# Allegro board C000PC009-HI3516DV300-CORE-A-A01.brd (continued)
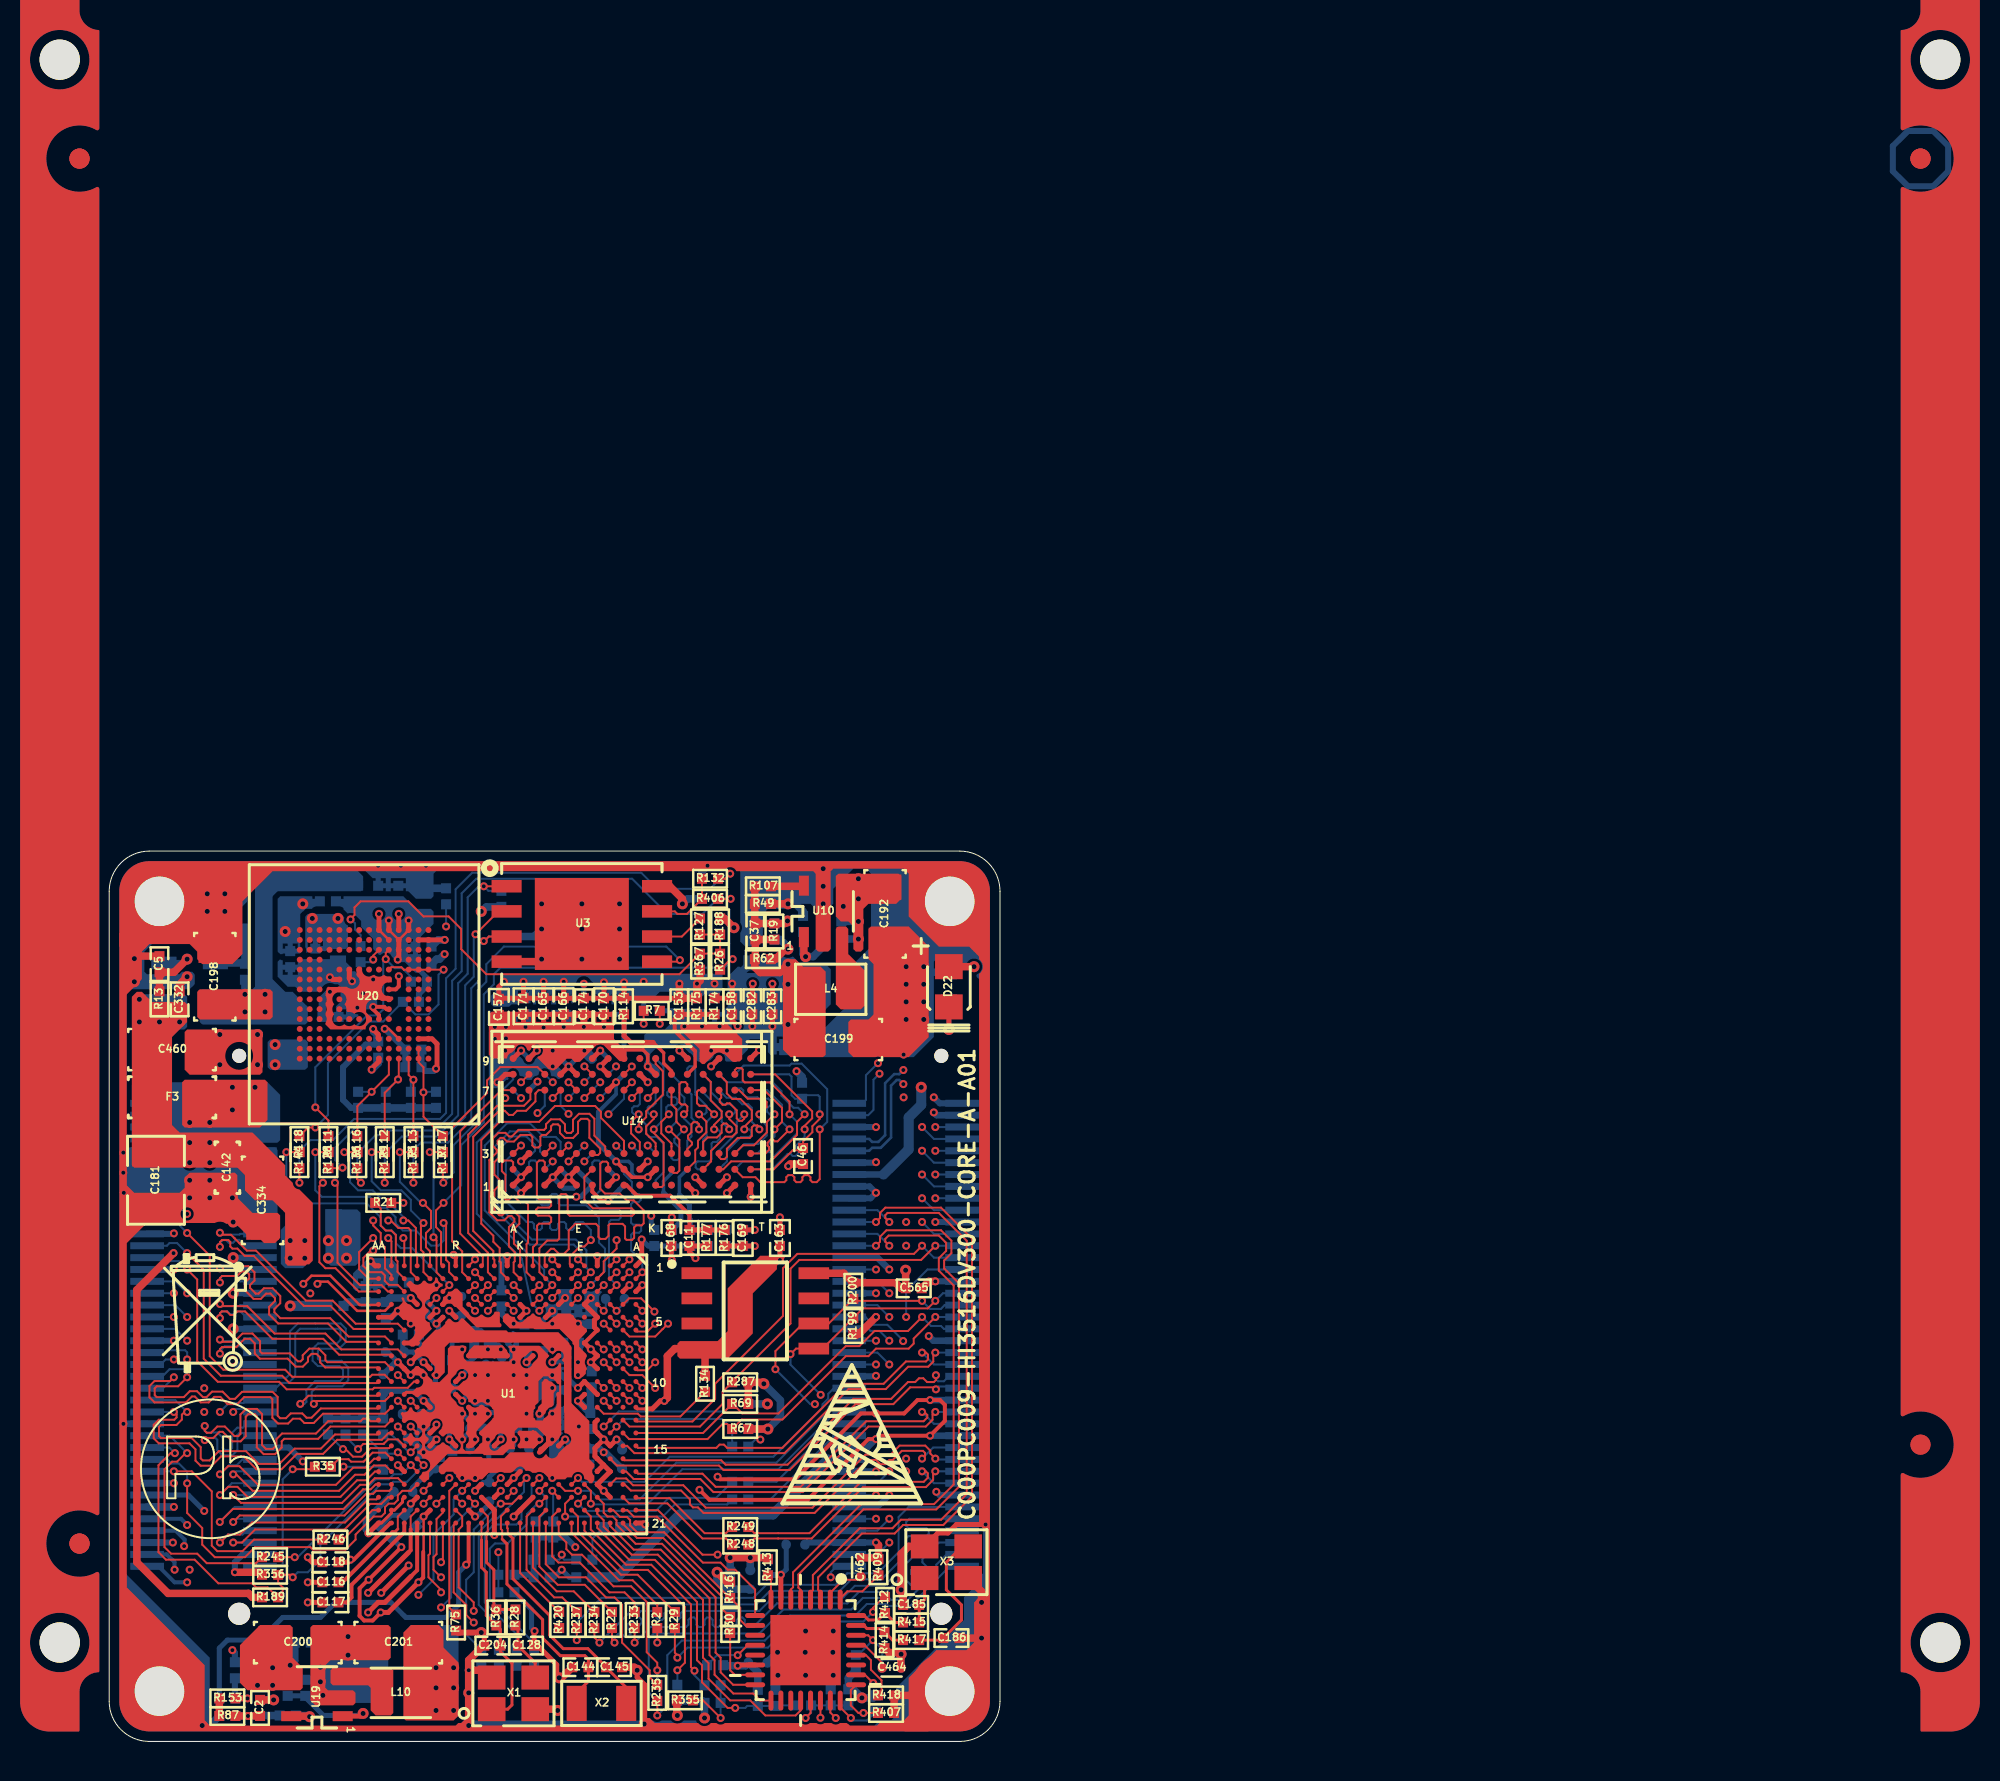
[diagram p0: board, top side]
## Nets (continued)
VBAT: J1.20 R91.1(A)
VCC_IN: F3.1 J2.73 J2.74 J2.75 J2.76 J2.77 J2.78 J2.79 J2.80
VDDIO_DDR_CK: C106.1(A) LB20.2 U1.G8(VDDIO_DDR_CK)
AC_INL/MIC_IN: C116.1(A) J2.10
AC_INR: C117.1(A) J2.8
AC_MICBIAS: C118.2(B) J2.14 U1.Y21(AC_MICBIAS)
AC_OUTL: J2.2 U1.V20(AC_OUTL)
AC_OUTR: J2.4 U1.V21(AC_OUTR)
AC_VREF: C43.1(A) C140.2(B) U1.V19(AC_VREF)
CKXTAL1: R414.2(B) R417.2(B) U21.31(CKXTAL1)
CKXTAL2: R412.2(B) R415.2(B) U21.32(CKXTAL2)
DDR3_A0: U1.A7(DDR_A0) U14.N3(A0) U15.N3(A0)
DDR3_A1: U1.A8(DDR_A1) U14.P7(A1) U15.P7(A1)
DDR3_A2: U1.B8(DDR_A5) U14.P3(A2) U15.P3(A2)
DDR3_A3: U1.B7(DDR_A3) U14.N2(A3) U15.N2(A3)
DDR3_A4: U1.A9(DDR_A4) U14.P8(A4) U15.P8(A4)
DDR3_A5: U1.B10(DDR_A9) U14.P2(A5) U15.P2(A5)
DDR3_A6: U1.A11(DDR_A8) U14.R8(A6) U15.R8(A6)
DDR3_A7: U1.B11(DDR_A7) U14.R2(A7) U15.R2(A7)
DDR3_A8: U1.A10(DDR_A6) U14.T8(A8) U15.T8(A8)
DDR3_A9: U1.B9(DDR_A2) U14.R3(A9) U15.R3(A9)
DDR3_A10: U1.C6(DDR_A12) U14.L7(A10/AP) U15.L7(A10/AP)
DDR3_A11: U1.D10(DDR_A11) U14.R7(A11) U15.R7(A11)
DDR3_A12: U1.C9(DDR_A15) U14.N7(A12/BC) U15.N7(A12/BC)
DDR3_A13: U1.C11(DDR_A13) U14.T3(A13) U15.T3(A13)
DDR3_A14: U1.C10(DDR_A14) U14.T7(A14) U15.T7(A14)
DDR3_A15: U1.B5(DDR_A10) U14.M7(NC3) U15.M7(NC3)
DDR3_BA0: U1.D7(DDR_BA0) U14.M2(BA0) U15.M2(BA0)
DDR3_BA1: U1.C8(DDR_BA1) U14.N8(BA1) U15.N8(BA1)
DDR3_BA2: U1.C7(DDR_BA2) U14.M3(BA2) U15.M3(BA2)
DDR3_CAS_N: U1.B6(DDR_CAS_N) U14.K3(\\C\A\S\) U15.K3(\\C\A\S\)
DDR3_CKE: U1.A4(DDR_CKE) U14.K9(CKE) U15.K9(CKE)
DDR3_CLK_N: C231.1(A) R7.1(A) U1.C4(DDR_CLK_N) U14.K7(\\C\K\) U15.K7(\\C\K\)
DDR3_CLK_P: C231.2(B) R7.2(B) U1.D4(DDR_CLK_P) U14.J7(CK) U15.J7(CK)
DDR3_CS_N: U1.A5(DDR_CS_N) U14.L2(\\C\S\) U15.L2(\\C\S\)
DDR3_DM0: U1.N4(DDR_DM0) U14.E7(LDM)
DDR3_DM1: U1.M4(DDR_DM1) U14.D3(UDM)
DDR3_DM2: U1.G3(DDR_DM2) U15.E7(LDM)
DDR3_DM3: U1.F3(DDR_DM3) U15.D3(UDM)
DDR3_DQ0: U1.L4(DDR_DQ5) U14.E3(DQ0/DQL0)
DDR3_DQ1: U1.M3(DDR_DQ8) U14.F7(DQ1/DQL1)
DDR3_DQ2: U1.H2(DDR_DQ1) U14.F2(DQ2/DQL2)
DDR3_DQ3: U1.N3(DDR_DQ9) U14.F8(DQ3/DQL3)
DDR3_DQ4: U1.L2(DDR_DQ7) U14.H3(DQ4/DQL4)
DDR3_DQ5: U1.P4(DDR_DQ10) U14.H8(DQ5/DQL5)
DDR3_DQ6: U1.H1(DDR_DQ0) U14.G2(DQ6/DQL6)
DDR3_DQ7: U1.P3(DDR_DQ13) U14.H7(DQ7/DQL7)
DDR3_DQ8: U1.N2(DDR_DQ11) U14.D7(DQ8/DQU0)
DDR3_DQ9: U1.K3(DDR_DQ4) U14.C3(DQ9/DQU1)
DDR3_DQ10: U1.P2(DDR_DQ15) U14.C8(DQ10/DQU2)
DDR3_DQ11: U1.J1(DDR_DQ3) U14.C2(DQ11/DQU3)
DDR3_DQ12: U1.N1(DDR_DQ12) U14.A7(DQ12/DQU4)
DDR3_DQ13: U1.J2(DDR_DQ2) U14.A2(DQ13/DQU5)
DDR3_DQ14: U1.P1(DDR_DQ14) U14.B8(DQ14/DQU6)
DDR3_DQ15: U1.L3(DDR_DQ6) U14.A3(DQ15/DQU7)
DDR3_DQ16: U1.F4(DDR_DQ23) U15.E3(DQ0/DQL0)
DDR3_DQ17: U1.F2(DDR_DQ25) U15.F7(DQ1/DQL1)
DDR3_DQ18: U1.D3(DDR_DQ20) U15.F2(DQ2/DQL2)
DDR3_DQ19: U1.C3(DDR_DQ19) U15.F8(DQ3/DQL3)
DDR3_DQ20: U1.B2(DDR_DQ17) U15.H3(DQ4/DQL4)
DDR3_DQ21: U1.A2(DDR_DQ16) U15.H8(DQ5/DQL5)
DDR3_DQ22: U1.D2(DDR_DQ21) U15.G2(DQ6/DQL6)
DDR3_DQ23: U1.B1(DDR_DQ18) U15.H7(DQ7/DQL7)
DDR3_DQ24: U1.H3(DDR_DQ28) U15.D7(DQ8/DQU0)
DDR3_DQ25: U1.J3(DDR_DQ30) U15.C3(DQ9/DQU1)
DDR3_DQ26: U1.G1(DDR_DQ26) U15.C8(DQ10/DQU2)
DDR3_DQ27: U1.G2(DDR_DQ27) U15.C2(DQ11/DQU3)
DDR3_DQ28: U1.F1(DDR_DQ24) U15.A7(DQ12/DQU4)
DDR3_DQ29: U1.H4(DDR_DQ29) U15.A2(DQ13/DQU5)
DDR3_DQ30: U1.E3(DDR_DQ22) U15.B8(DQ14/DQU6)
DDR3_DQ31: U1.J4(DDR_DQ31) U15.A3(DQ15/DQU7)
DDR3_DQS0_N: U1.K2(DDR_DQS0_N) U14.G3(\\L\D\Q\S\)
DDR3_DQS0_P: U1.K1(DDR_DQS0_P) U14.F3(LDQS)
DDR3_DQS1_N: U1.M2(DDR_DQS1_N) U14.B7(\\U\D\Q\S\)
DDR3_DQS1_P: U1.M1(DDR_DQS1_P) U14.C7(UDQS)
DDR3_DQS2_N: U1.C2(DDR_DQS2_N) U15.G3(\\L\D\Q\S\)
DDR3_DQS2_P: U1.C1(DDR_DQS2_P) U15.F3(LDQS)
DDR3_DQS3_N: U1.E2(DDR_DQS3_N) U15.B7(\\U\D\Q\S\)
DDR3_DQS3_P: U1.E1(DDR_DQS3_P) U15.C7(UDQS)
DDR3_ODT: U1.B4(DDR_ODT) U14.K1(ODT) U15.K1(ODT)
DDR3_RAS_N: U1.A6(DDR_RAS_N) U14.J3(\\R\A\S\) U15.J3(\\R\A\S\)
DDR3_RESET_N: C46.1(A) C281.1(A) U1.C12(DDR_RESET_N) U14.T2(\\R\E\S\E\T\) U15.T2(\\R\E\S\E\T\)
DDR3_WE_N: U1.C5(DDR_WE_N) U14.L3(\\W\E\) U15.L3(\\W\E\)
DDR3_ZQ: R134.2(B) U1.D12(DDR_ZQ)
DIS_FLOW_CTRL: J1.51 R2.2(B)
DSI_CKN/LCD_DATA13/LCD1_DATA2: J1.27 U1.B17(DSI_CKN/GPIO9_5/LCD_DATA13)
DSI_CKP/LCD_DATA12/LCD1_DATA1: J1.25 U1.A17(DSI_CKP/GPIO9_4/LCD_DATA12)
DSI_D0N/LCD_DATA9/LCD1_VSYNC: J1.37 U1.B15(DSI_D0N/GPIO10_1/LCD_DATA9)
DSI_D0P/LCD_DATA8/LCD1_DE: J1.35 U1.A15(DSI_D0P/GPIO10_0/LCD_DATA8)
DSI_D1N/LCD_DATA10/LCD1_HSYNC: J1.33 U1.B16(DSI_D1N/GPIO9_6/LCD_DATA10)
DSI_D1P/LCD_DATA11/LCD1_DATA0: J1.31 U1.C16(DSI_D1P/GPIO9_7/LCD_DATA11)
DSI_D2N/LCD_DATA14/LCD1_DATA3: J1.21 U1.B18(DSI_D2N/GPIO9_2/LCD_DATA14)
DSI_D2P/LCD_DATA15/LCD1_DATA4: J1.19 U1.C18(DSI_D2P/GPIO9_3/LCD_DATA15)
DSI_D3N/LCD_DATA17/LCD1_CLK: J1.17 R248.2(B)
DSI_D3P/LCD_DATA16/LCD1_DATA5: J1.15 R249.2(B)
EMMC_3V3: C58.1(A) C66.1(A) C67.1(A) R108.1(A) U20.E6(VCC/VDDF1) U20.F5(VCC/VDDF2) U20.J10(VCC/VDDF3) U20.K9(VCC/VDDF4)
EMMC_CLK: R110.2(B) U20.M6(CLK)
EMMC_CLK/SFC_CLK/SFC_BOOT_MODE: R26.1(A) R110.1(A) R127.1(A) R188.2(B) R367.1(A)
EMMC_CMD: R111.2(B) R145.2(B) U20.M5(CMD)
EMMC_CMD/SFC_HOLD_IO3: R111.1(A) R128.1(A) U1.R2(EMMC_CMD/SFC_HOLD_IO3)
EMMC_DATA0: R97.2(B) R113.2(B) U20.A3(DAT0)
EMMC_DATA0/SFC_WP_IO2: R113.1(A) R135.1(A) U1.U1(EMMC_DATA0/SFC_WP_IO2)
EMMC_DATA1: R100.2(B) R112.2(B) U20.A4(DAT1)
EMMC_DATA1/SFC_MISO_IO1: R112.1(A) R129.1(A) U1.U2(EMMC_DATA1/SFC_MISO_IO1)
EMMC_DATA2: R104.2(B) R116.2(B) U20.A5(DAT2)
EMMC_DATA2/SFC_CSN: R116.1(A) R136.1(A) U1.V1(EMMC_DATA2/SFC_CSN/GPIO0_7)
EMMC_DATA3: R105.2(B) R117.2(B) U20.B2(DAT3)
EMMC_DATA3/SFC_MOSI_IO0: R117.1(A) R137.1(A) U1.T2(EMMC_DATA3/SFC_MOSI_IO0)
EMMC_RST_N: R4.2(B) R118.2(B) U20.K5(RST_N)
EMMC_RST_N/SYS_RSTN_OUT: R118.1(A) R144.1(A) U1.T3(EMMC_RST_N/SYS_RSTN_OUT)
EMMC_VCCQ: C60.1(A) C62.1(A) C63.1(A) C64.1(A) C65.1(A) C68.1(A) R4.1(A) R97.1(A) R100.1(A) R104.1(A) R105.1(A) R109.1(A) R145.1(A) R150.1(A) U20.C6(VCCQ/VDD1) U20.M4(VCCQ/VDD2) U20.N4(VCCQ/VDD3) U20.P3(VCCQ/VDD4) U20.P5(VCCQ/VDD5)
EPHY_CLK: R29.2(B) R412.1(A)
EPHY_RSTN: C132.1(A) R408.1(A) R410.2(B) U21.21(PHYRSTB)
EPHY_RSTN/SFC_DEVICE_MODE: R196.2(B) R354.1(A) R410.1(A) U1.D21(EPHY_RSTN/GPIO7_6/LCD_DATA3)
ETH_25M_CKXTAL1: C186.2(B) R417.1(A) X3.3
ETH_25M_CKXTAL2: C185.2(B) R415.1(A) X3.1
HDMI_CEC: J2.54 U1.V10(HDMI_CEC/GPIO2_5/UART3_TXD)
HDMI_HOTPLUG: J2.62 U1.W10(HDMI_HOTPLUG/GPIO2_4/UART3_RXD)
HDMI_SCL: J2.56 U1.AA10(HDMI_SCL/GPIO2_7/UART3_CTSN)
HDMI_SDA: J2.60 U1.Y10(HDMI_SDA/GPIO2_6/UART3_RTSN)
HDMI_TX0N: J2.51 U1.Y7(HDMI_TX0N)
HDMI_TX0P: J2.49 U1.AA7(HDMI_TX0P)
HDMI_TX1N: J2.45 U1.W8(HDMI_TX1N)
HDMI_TX1P: J2.43 U1.Y8(HDMI_TX1P)
HDMI_TX2N: J2.39 U1.Y9(HDMI_TX2N)
HDMI_TX2P: J2.37 U1.AA9(HDMI_TX2P)
HDMI_TXCN: J2.57 U1.W6(HDMI_TXCN)
HDMI_TXCP: J2.55 U1.Y6(HDMI_TXCP)
I2C2_SCL: J1.45 R200.1(A) U1.R19(I2C2_SCL/GPIO5_7) U59.6(SCL)
I2C2_SDA: J1.47 R199.1(A) U1.T18(I2C2_SDA/GPIO5_6) U59.5(SDA)
I2C3_SCL: J1.43 R67.1(A) U1.B14(GPIO0_2/I2C3_SCL/LCD_DATA19)
I2C3_SDA: J1.41 R69.1(A) U1.A14(GPIO0_1/I2C3_SDA/LCD_DATA20)
I2C7_SCL: J1.46 R195.1(A) U1.H18(I2C7_SCL/GPIO10_6)
I2C7_SDA: J1.44 R197.1(A) U1.G19(I2C7_SDA/GPIO10_7)
JTAG_TCK/SPI1_SDO: J1.26 R239.1(A)
JTAG_TDI/SPI1_CSN1: J1.28 U1.E18(JTAG_TDI/SPI1_CSN1/LCD_DATA23)
JTAG_TDO/SPI1_SDI: J1.32 U1.F18(JTAG_TDO/SPI1_SDI/RMII_RXD0)
JTAG_TMS/SPI1_CSN0: J1.30 U1.G18(JTAG_TMS/SPI1_CSN0/RMII_TXD0)
JTAG_TRSTN/SPI1_SCLK: J1.24 R238.1(A)
LCD_RST: J1.53 U1.A13(GPIO0_5/LCD_DATA22)
LED0_ACT: J1.52 R411.1(A) U21.24(LED0/PHYAD0/PMEB)
LED1_LINK: J1.50 R407.1(A) U21.25(LED1/PHYAD1)
LSADC_CH0: J2.46 U1.P19(LSADC_CH0/GPIO10_3)
LSADC_CH1: J2.44 U1.P18(LSADC_CH1/GPIO10_4)
MDCK/BOOT_SEL0: R33.2(B) R206.2(B) R355.1(A) U21.22(MDC)
MDI0+: J1.56 U21.5(MDI+1)
MDI0-: J1.58 U21.6(MDI-1)
MDI1+: J1.60 U21.3(MDI+0)
MDI1-: J1.62 U21.4(MDI-0)
MDIO: R96.2(B) U1.E21(MDIO/GPIO8_5/LCD_DATA5) U21.23(MDIO)
MIPI_RX0_CK0N/VI_DATA13: J2.23 U1.Y13(MIPI_RX_CK0N/VI_DATA13)
MIPI_RX0_CK0P/VI_DATA12: J2.25 U1.AA13(MIPI_RX_CK0P/VI_DATA12)
MIPI_RX0_CK1N/VI_DATA8: J2.33 U1.Y11(MIPI_RX0_CK1N/VI_DATA8)
MIPI_RX0_CK1P/VI_DATA9: J2.31 U1.AA11(MIPI_RX0_CK1P/VI_DATA9)
MIPI_RX0_D0N: J2.27 U1.V14(MIPI_RX_D0N)
MIPI_RX0_D0P: J2.29 U1.W14(MIPI_RX_D0P)
MIPI_RX0_D1N: J2.36 U1.V12(MIPI_RX_D1N)
MIPI_RX0_D1P: J2.38 U1.W12(MIPI_RX_D1P)
MIPI_RX0_D2N/VI_DATA15: J2.28 U1.Y14(MIPI_RX_D2N/VI_DATA15)
MIPI_RX0_D2P/VI_DATA14: J2.30 U1.AA14(MIPI_RX_D2P/VI_DATA14)
MIPI_RX0_D3N/VI_DATA10: J2.32 U1.Y12(MIPI_RX_D3N/VI_DATA10)
MIPI_RX0_D3P/VI_DATA11: J2.34 U1.AA12(MIPI_RX_D3P/VI_DATA11)
PWM0: J2.48 U1.R21(PWM0/GPIO6_6)
PWM1: J2.50 U1.R20(PWM1/GPIO6_7)
PWR_BUTTON: R25.1(A) R89.2(B) U1.L19(PWR_BUTTON)
PWR_EN: R422.1(A) U1.K19(PWR_EN/GPIO11_3)
PWR_RSTN: C188.2(B) R143.2(B) U1.M18(PWR_RSTN)
PWR_SEQ0: R423.1(A) U1.H19(PWR_SEQ0/GPIO11_1)
PWR_SEQ1: R424.1(A) U1.J18(PWR_SEQ1/GPIO11_2)
PWR_STARTUP: R420.1(A) U1.K21(PWR_STARTUP)
PWR_WAKEUP: R421.1(A) U1.K18(PWR_WAKEUP/GPIO11_0)
RMII_CLK: R30.2(B) U21.15(TXC)
RMII_RX_DV: U1.A20(RMII_RX_DV/GPIO7_3/LCD_DATA6) U21.26(CRS/CRS_DV)
RMII_RXD0: U1.B20(RMII_RXD0/GPIO7_5/LCD_DE) U21.9(RXD0)
RMII_RXD1: R416.1(A) U1.C20(RMII_RXD1/GPIO7_4/LCD_VSYNC) U21.10(RXD1)
RMII_TX_EN: U1.D20(RMII_TX_EN/GPIO7_0/LCD_DATA2) U21.20(TXEN)
RMII_TXD0: U1.D19(RMII_TXD0/GPIO7_1/LCD_DATA0) U21.16(TXD0)
RMII_TXD1: U1.C21(RMII_TXD1/TEST_CLK/LCD_DATA1) U21.17(TXD1)
RTC_XIN: C145.1(A) U1.L21(RTC_XIN) X2.1
RTC_XOUT: C144.1(A) U1.L20(RTC_XOUT) X2.2
SDIO0_CARD_DETECT: J1.61 U1.U4(SDIO0_CARD_DETECT/GPIO1_1)
SDIO0_CARD_POWER_EN: J1.73 U1.AA2(SDIO0_CARD_POWER_EN/GPIO1_0)
SDIO0_CCLK_OUT: J1.69 R21.2(B)
SDIO0_CCMD: J1.67 U1.Y1(SDIO0_CCMD/GPIO1_3)
SDIO0_CDATA0: J1.65 U1.W1(SDIO0_CDATA0/GPIO1_4)
SDIO0_CDATA1: J1.71 U1.V2(SDIO0_CDATA1/GPIO1_5)
SDIO0_CDATA2: J1.63 U1.W3(SDIO0_CDATA2/GPIO1_6)
SDIO0_CDATA3: J1.75 U1.Y2(SDIO0_CDATA3/GPIO1_7)
SDIO1_CCLK_OUT: J1.7 R22.2(B)
SDIO1_CCMD: J1.9 R234.2(B)
SDIO1_CDATA0: J1.5 R233.2(B)
SDIO1_CDATA1: J1.1 R235.2(B)
SDIO1_CDATA2: J1.3 R236.2(B)
SDIO1_CDATA3: J1.11 R237.2(B)
SENSOR0_CLK: J2.24 R245.1(A)
SENSOR0_RSTN/BOOT_SEL1: J2.22 R189.2(B) R356.1(A) U1.V16(SENSOR0_RSTN/GPIO4_1/BOOT_SEL1)
SFC_CLK: R127.2(B) U3.6(SCK)
SFC_CSN: R136.2(B) R192.2(B) U3.1(\\C\S\)
SFC_HOLD_IO3: R128.2(B) R366.2(B) R406.2(B)
SFC_MISO_IO1: R129.2(B) U3.2(SO)
SFC_MOSI_IO0: R137.2(B) U3.5(SI)
SFC_WP_IO2: R65.1(A) R135.2(B) U3.3(\\W\P\)
SPI0_CSN/I2C1_SCL: J1.40 R208.2(B) U1.V15(SPI0_CSN/GPIO4_5/I2C1_SCL)
SPI0_SCLK/I2C0_SCL: J1.36 R247.1(A)
SPI0_SDI/I2C1_SDA: J1.42 R207.2(B) U1.W15(SPI0_SDI/GPIO4_4/I2C1_SDA)
SPI0_SDO/I2C0_SDA: J1.38 R204.2(B) U1.Y15(SPI0_SDO/GPIO4_3/I2C0_SDA)
SVB_PWM: R203.1(A) U1.P21(SVB_PWM/GPIO10_2)
SYS_RSTN_OUT: C129.1(A) R132.2(B) R144.2(B)
TEST_MODE: R75.1(A) U1.R18(TEST_MODE)
TP_INT: J1.55 R287.2(B) U1.B13(GPIO0_4/LCD_DATA21)
TP_RST: J1.57 R198.2(B) U1.C13(GPIO0_3/IR_IN/LCD_DATA18)
UART0_RXD: J1.2 U1.U21(UART0_RXD/GPIO5_4)
UART0_TXD: J1.4 U1.T20(UART0_TXD/GPIO5_5)
UART1_CTSN/UART4_TXD: J1.14 U1.U19(UART1_CTSN/GPIO5_1/UART4_TXD)
UART1_RTSN/UART4_RXD: J1.16 U1.U18(UART1_RTSN/GPIO5_0/UART4_RXD)
UART1_RXD: J1.8 U1.T21(UART1_RXD/GPIO5_2)
UART1_TXD: J1.10 U1.T19(UART1_TXD/GPIO5_3)
UPDATE_MODE: J2.42 R18.2(B)
UPDATE_MODE_N: R18.1(A) R165.2(B) U1.C14(GPIO0_0/UPDATE_MODE)
USB_DM: J1.74 U1.AA4(USB_DM)
USB_DP: J1.72 U1.Y4(USB_DP)
USB_OVRCUR: J1.80 U1.AA3(USB_OVRCUR/GPIO2_0)
USB_PWREN: J1.78 U1.Y3(USB_PWREN/GPIO2_2)
USB_VBUS: C59.1(A) R76.1(A) R142.2(B) U1.V4(USB_VBUS/GPIO2_1)
VI_CLK/VO_CLK: J2.1 R35.1(A)
VI_DATA0/VO_DATA0/I2C5_SCL: J2.5 U1.Y19(VI_DATA0/GPIO3_0/VOU_DATA0)
VI_DATA1/VO_DATA1/I2C5_SDA: J2.7 U1.AA19(VI_DATA1/GPIO3_1/VOU_DATA1)
VI_DATA2/VO_DATA2/I2C6_SCL: J2.9 U1.Y18(VI_DATA2/GPIO3_2/VOU_DATA2)
VI_DATA3/VO_DATA3/I2C6_SDA: J2.11 U1.AA18(VI_DATA3/GPIO3_3/VOU_DATA3)
VI_DATA4/VO_DATA4/SPI2_SCLK: J2.13 U1.W18(VI_DATA4/GPIO3_4/VOU_DATA4)
VI_DATA5/VO_DATA5/SPI2_SDO: J2.15 U1.AA17(VI_DATA5/GPIO3_5/VOU_DATA5)
VI_DATA6/VO_DATA6/SPI2_SDI: J2.17 U1.Y17(VI_DATA6/GPIO3_6/VOU_DATA6)
VI_DATA7/VO_DATA7/SPI2_CSN: J2.19 U1.AA16(VI_DATA7/GPIO3_7/VOU_DATA7)
VI_HS/SENSOR_HS/SENSOR1_RSTN: J2.20 U1.V18(VI_HS/GPIO4_7/SENSOR1_RSTN)
VI_VS/SENSOR_VS/SENSOR1_CLK: J2.18 R246.1(A)
XIN: C204.1(A) R36.1(A) U1.N21(XIN) X1.1
XOUT: R28.1(A) R36.2(B) U1.N20(XOUT)
$9N18176: C161.1(A) R178.2(B) R179.1(A) U15.H1(VREFDQ)
$9N18177: C159.1(A) R180.2(B) R181.1(A) U15.M8(VREFCA)
$9N18178: R115.2(B) U15.L8(ZQ)
$9N18185: C153.1(A) R174.1(A) R175.2(B) U14.M8(VREFCA)
$9N18186: C11.1(A) R176.1(A) R177.2(B) U14.H1(VREFDQ)
$9N18198: R114.2(B) U14.L8(ZQ)
$10N9450: R237.1(A) U1.J20(SDIO1_CDATA3/GPIO6_5)
$10N9451: R236.1(A) U1.G21(SDIO1_CDATA2/GPIO6_4)
$10N9452: R235.1(A) U1.H21(SDIO1_CDATA1/GPIO6_3)
$10N9453: R234.1(A) U1.J21(SDIO1_CCMD/GPIO6_1)
$10N9454: R233.1(A) U1.G20(SDIO1_CDATA0/GPIO6_2)
$10N9455: R22.1(A) U1.H20(SDIO1_CCLK_OUT/GPIO6_0)
$10N9456: R21.1(A) U1.W2(SDIO0_CCLK_OUT/GPIO1_2)
$10N9463: C116.2(B) U1.W20(AC_INL)
$10N9464: C117.2(B) U1.W21(AC_INR)
$19N2543: R239.2(B) U1.E19(JTAG_TCK/SPI1_SDO/RMII_RXD1)
$19N2544: R238.2(B) U1.F19(JTAG_TRSTN/SPI1_SCLK/RMII_TXD1)
$19N2566: C128.1(A) R28.2(B) X1.3
$19N2573: R26.2(B) U1.T1(EMMC_CLK/SFC_CLK)
$19N2578: C90.2(B) R148.1(A) R149.1(A) U1.R5(DVDD3318_FLASH)
$20N13: R419.2(B) U21.12(RXD3/CLK_CTL)
$20N14: C462.1(A) U21.2(AVDD10OUT)
$20N15: C464.1(A) U21.29(DVDD10OUT)
$20N16: R413.2(B) U21.8(RXDV)
$20N17: R409.2(B) U21.1(RSET)
$20N18: C465.1(A) LB1.2 U21.30(AVDD33_2)
$20N19: C463.1(A) LB2.2 U21.7(AVDD33_1)
$20N20: R418.2(B) U21.28(RXER/FXEN)
$24N4711: R52.1(A) R62.2(B)
$24N4737: L4.1(A) U10.3(LX)
$24N4738: C37.2(B) R19.2(B) R49.2(B) R52.2(B) R107.2(B)
$24N4740: R87.1(A) R153.2(B)
$24N4741: L10.1(A) U19.3(LX)
$24N4742: R106.1(A) U19.5(FB)
$24N4743: C27.1(A) R153.1(A) R203.2(B)
$24N4744: R3.2(B) R24.1(A) U9.4(SNS/NC)
$24N4746: C5.1(A) R13.2(B) U9.3(EN)
$24N6101: C2.2(B) R78.2(B) R79.1(A) R87.2(B) R106.2(B)
$24N6123: R107.1(A) U10.5(FB)
$25N58: R29.1(A) U1.F20(EPHY_CLK/GPIO7_7/LCD_DATA7)
$25N63: R33.1(A) U1.E20(MDCK/GPIO8_6/LCD_DATA4)
